# Allegro board reComputer Industrial J201_V1.2.brd (continued)
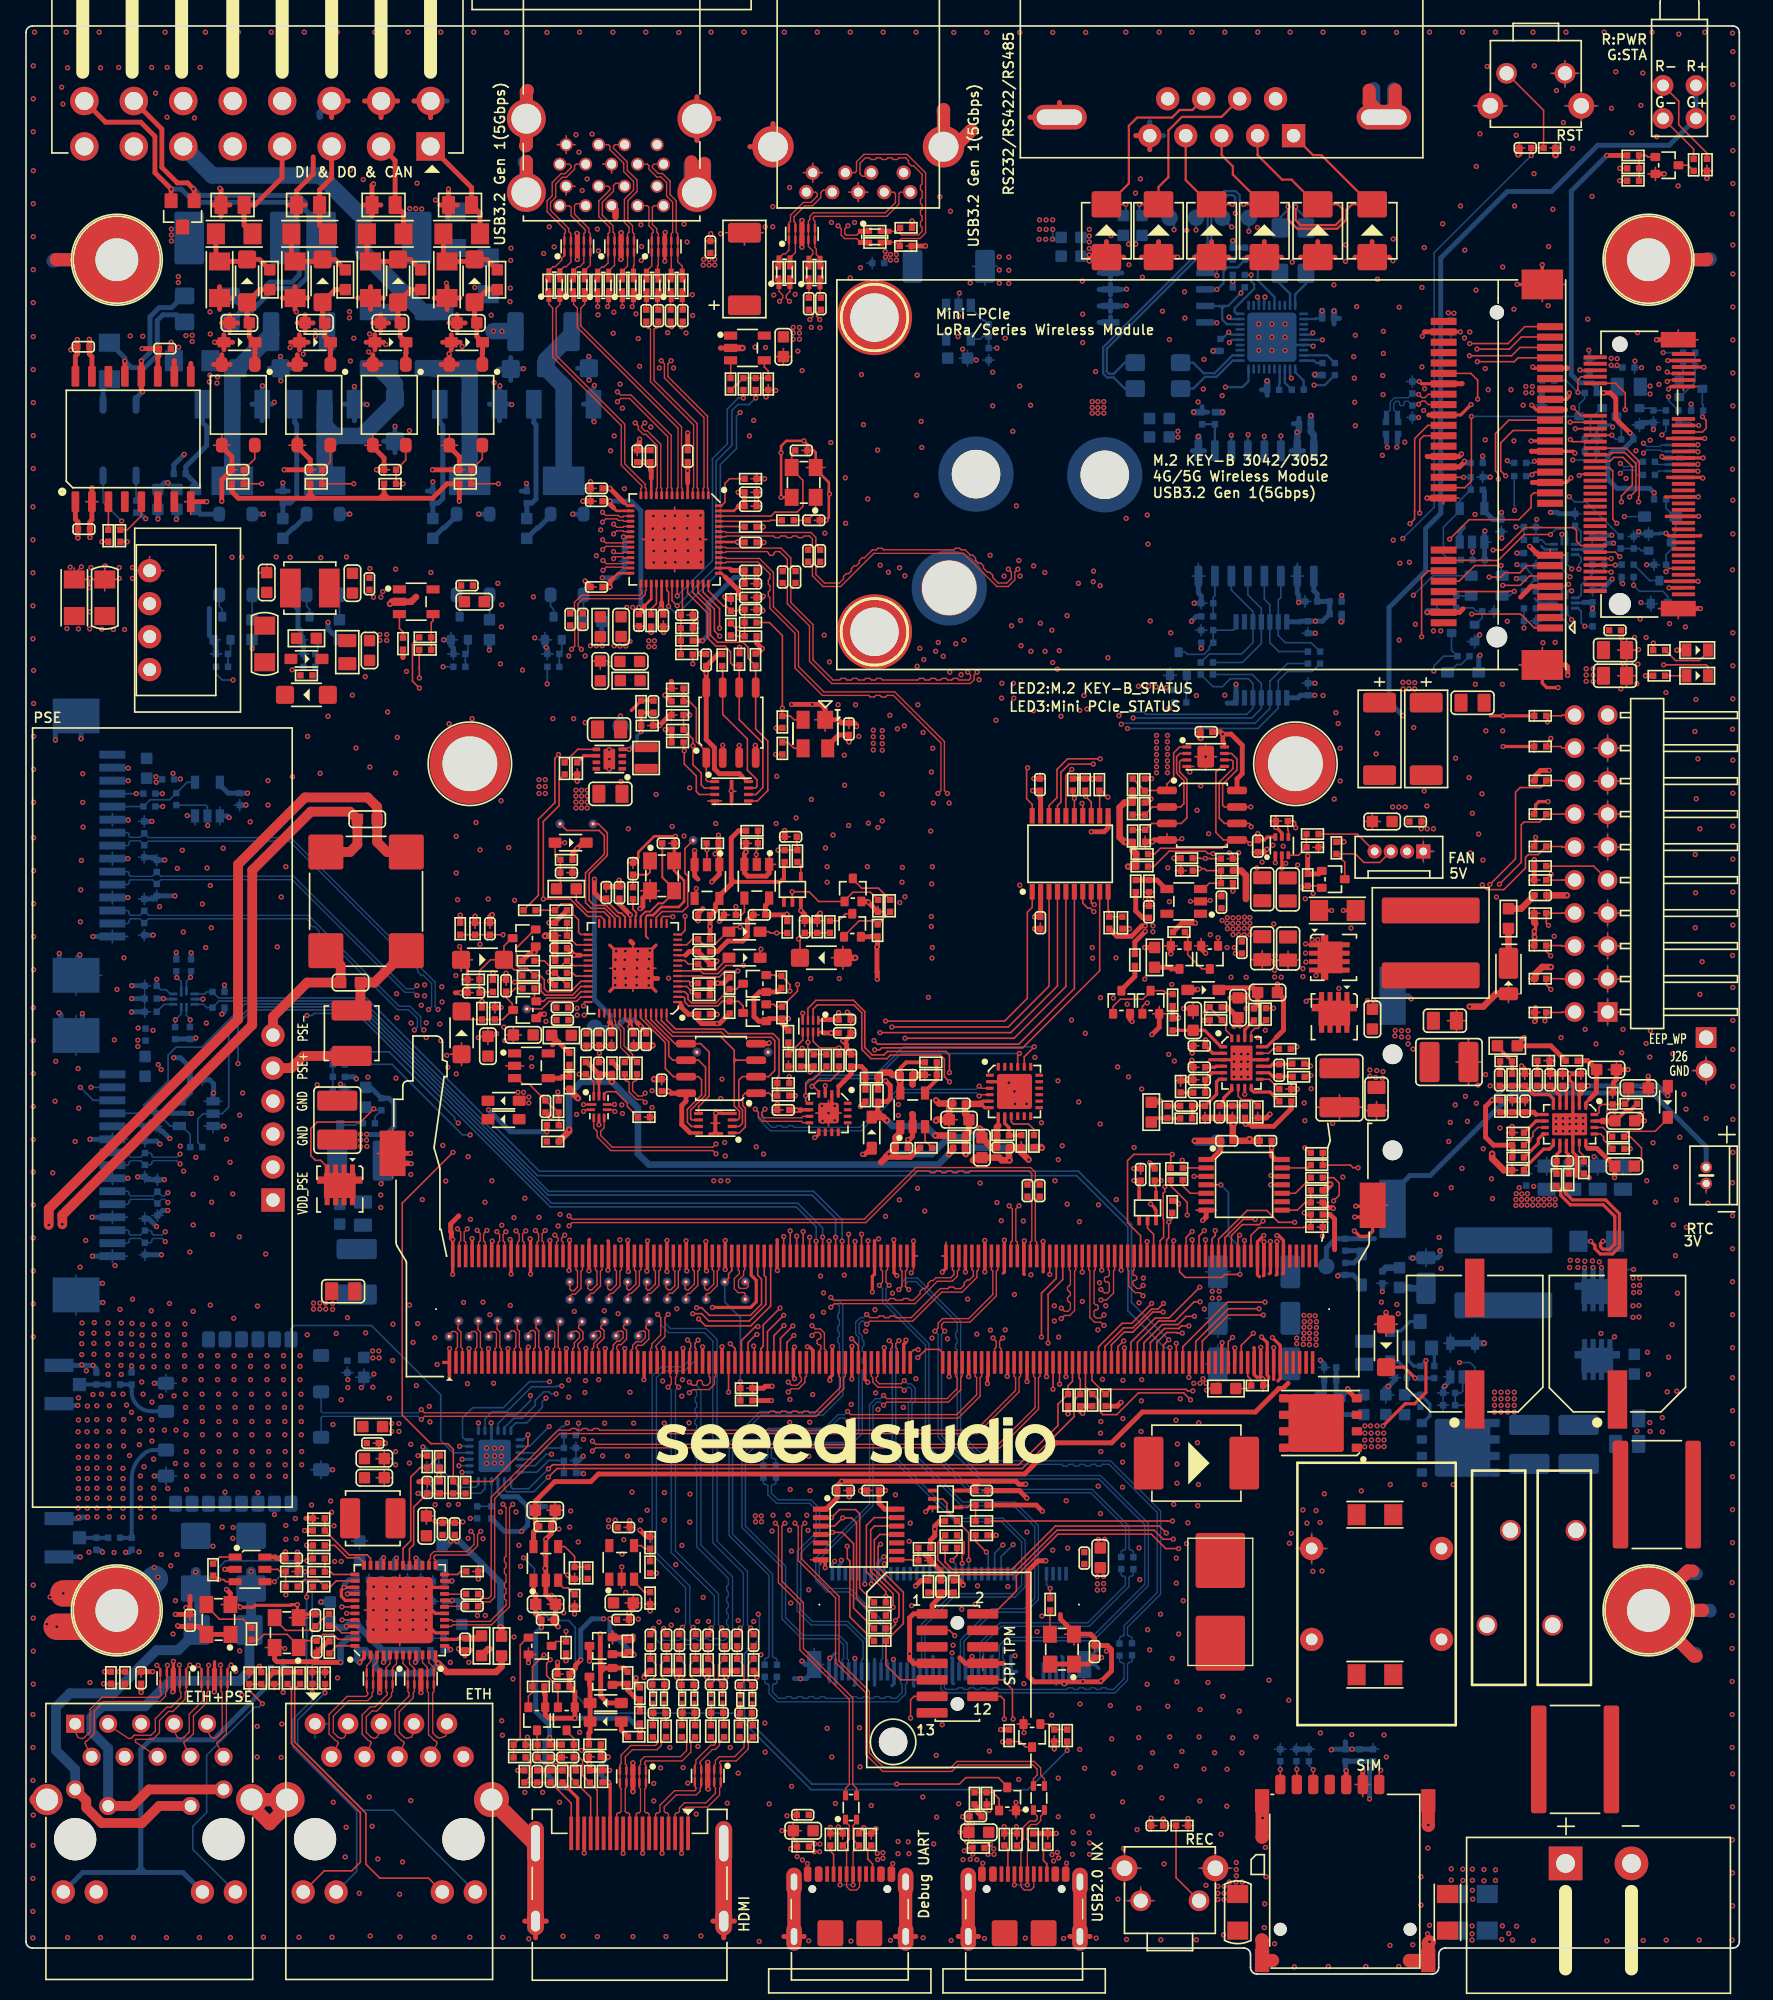
[diagram p0: board, top side]
## Routing (per net, layer and track width the routed paths; a pad name or vN(x,y) marks a point on that pad's centre or on a via; arc(x,y) is an arc through that point) (continued)
  TOP w0.127: 59.57,81.1 C87.2 60,80.67 ; 12.22,113.37 U7.8 12.7,112.39 ; 34.45,75.56 C96.2 34.02,75.13 ; 118.39,68.89 C127.2 118.39,69.75 ; 89.93,68.43 C119.2 ; C119.2 89.93,69.28 ; C119.2 90.36,68.86 ; C199.2 72.7,12.56 ; C199.2 72.19,12.13 v1(72.17,12.11) ; C199.2 72.7,11.7 ; 16.77,23.25 D99.1 ; D99.1 17.2,23.68 ; D99.1 17.63,23.25 ; D99.1 17.2,22.83 ; 40.76,80.38 R125.2 41.19,79.96 ; 34.42,31 R230.2 ; R230.2 34.85,31.43 ; R230.2 35.28,31 ; 91.52,65.93 C134.2 ; C134.2 91.95,66.36 ; C134.2 91.95,65.5 ; 62.06,78.25 D32.1 ; D32.1 62.93,79.13 ; D32.1 62.93,77.38 ; 84.9,5.64 SW2.2 ; SW2.2 85.88,6.62 ; SW2.2 86.86,5.64 ; 114.06,64.79 R190.2 ; R190.2 114.92,64.79 ; R190.2 114.49,64.36 ; 40.17,28.47 C164.2 ; C164.2 40.79,29.1 ; C164.2 41.42,28.47 ; R91.2 55.9,87.07 ; R91.2 55.47,87.5 ; R91.2 55.04,87.07 ; 58.74,70.31 R155.2 59.17,69.88 ; 63.39,137.21 J3.7 ; J3.7 64.12,137.93 ; J3.7 64.12,136.48 ; J3.7 64.85,137.21 ; J7.1 108.38,86.44 ; J7.1 107.65,87.17 ; J7.1 107.65,85.71 ; C58.2 124,99.97 ; C58.2 122.63,99.97 ; C58.2 123.31,100.84 ; C58.2 123.31,99.09 ; 49.52,87.06 C73.2 50.38,87.06 ; D38.1 33.56,71.7 ; D38.1 33.56,69.95 ; D38.1 32.68,70.82 ; 45.89,29.71 U35.2 45.89,31.08 ; Q2.3 15.09,118.47 ; Q2.3 14.45,117.72 ; Q2.3 15.72,117.72 ; 99.91,58.98 R430.1 ; R430.1 99.48,59.41 ; R430.1 100.33,59.41 ; R180.2 90.83,66.35 ; R180.2 90.4,65.92 ; R180.2 90.83,65.49 ; 103.17,66.49 C129.2 ; C129.2 104.92,66.49 ; C129.2 104.05,65.81 ; C129.2 104.05,67.18 ; 54.69,91.07 U12.9 54.36,90.02 ; 120.91,91.86 J8.15 ; J8.15 122.79,91.86 ; J8.15 121.85,92.8 ; J8.15 121.85,90.92 ; 70.06,30.3 C146.1 70.92,30.3 ; C101.2 103.73,74.89 v1(103.81,74.98) ; 117,69.32 C126.2 117.43,68.89 ; 116.82,128.77 J5.53 118.6,130.1 ; 57.18,121.54 R440.2 ; R440.2 56.76,121.97 ; R440.2 57.18,122.4 ; R440.2 57.61,121.97 ; 55.86,114.09 C26.2 ; C26.2 56.28,114.52 ; C26.2 56.71,114.09 ; 116.2,89.74 D24.1 115.77,89.31 ; 43.36,17.15 C193.2 43.79,16.72 ; 116.2,78.76 D30.1 115.77,79.19 ; 94.47,86.38 C74.1 94.9,85.95 ; 124.99,67.6 C130.2 ; C130.2 125.61,68.22 ; C130.2 124.36,68.22 ; 116.2,94.09 D22.1 116.2,94.95 ; C37.2 56.71,107.05 ; C37.2 55.86,107.05 ; C37.2 56.28,106.63 ; 104.78,49.16 D44.1 ; D44.1 103.9,50.03 ; D44.1 105.66,50.03 ; v1(74.2,12.59) 74.01,12.78 R272.2 ; 3.72,107.8 3.72,108.26 ; 3.72,107.8 R56.1 4.73,107.38 4.88,107.23 v1(4.88,106.75) ; 3.72,107.8 v1(4.27,108.35) ; 46.46,26.86 C167.2 ; C167.2 46.89,27.29 ; C167.2 46.03,27.29 ; 115.77,81.68 D28.1 ; D28.1 116.63,81.68 ; D28.1 116.2,82.11 ; 69.68,31.42 R428.1 69.25,31.85 ; 56.04,81.13 C85.2 ; C85.2 56.04,81.98 ; C85.2 56.46,81.56 ; 44.44,139.36 J4.7 45.12,138.68 ; 8.45,108.06 U10.1 ; U10.1 10.61,108.06 ; U10.1 9.53,109.14 ; 58.45,87.14 C72.2 ; C72.2 58.88,87.57 ; C72.2 58.02,87.57 ; 46.8,103.79 C47.2 ; C47.2 47.22,103.36 ; C47.2 47.65,103.79 ; R86.2 96.29,89.21 ; R86.2 95.86,88.78 ; R86.2 96.71,88.78 ; 51.36,103.62 R54.2 ; R54.2 51.37,103.2 ; R54.2 51.8,103.62 ; R54.2 51.37,104.05 ; 55.54,45.11 R448.2 ; R448.2 55.97,45.54 ; R448.2 55.97,44.68 ; 50.94,104.64 C41.2 ; C41.2 51.37,105.07 ; C41.2 51.37,104.22 ; 48.68,103.76 C48.2 ; C48.2 49.53,103.76 ; C48.2 49.1,104.19 ; 111.64,143.86 SW1.3 ; SW1.3 112.82,142.68 ; SW1.3 112.82,145.03 ; SW1.3 114,143.86 ; C106.2 37.55,72.93 ; C106.2 37.55,71.69 ; C106.2 36.92,72.31 ; C106.2 38.17,72.31 ; 99.47,66.74 C122.2 ; C122.2 101.2,67.7 ; C122.2 102.92,66.74 ; C122.2 101.2,65.79 ; 63.96,72.47 C105.2 63.53,72.9 ; C181.2 22.39,25.17 ; C181.2 21.96,24.74 ; C181.2 22.82,24.74 ; 45.19,26.42 Q19.2 45.19,25.43 ; 47.24,71.5 C111.2 46.81,71.93 ; 23.04,22.83 D96.1 ; D96.1 23.47,23.25 ; D96.1 23.04,23.68 ; D96.1 22.61,23.25 ; R197.2 114.92,61.9 ; R197.2 114.49,61.47 ; R197.2 114.49,62.32 ; 22.72,27.7 C169.2 22.29,28.13 ; 16.46,28.45 OSC1.2 15.04,28.45 ; 60.78,96.58 U13.1 61.57,95.7 ; 86.81,73.94 Q50.2 ; Q50.2 87.31,74.5 ; Q50.2 87.8,73.94 ; 38.49,17.23 R257.2 ; R257.2 38.92,17.66 ; R257.2 38.49,18.09 ; 90.14,58.82 U58.7 91.7,58.82 ; 55.86,105.99 C39.2 ; C39.2 56.28,106.42 ; C39.2 56.28,105.56 ; 61.23,31.52 U57.7 60.45,31.89 ; 43.72,71.51 C108.2 ; C108.2 44.15,71.09 ; C108.2 44.58,71.51 ; L14.3 99.05,33.84 ; L14.3 99.05,31.69 ; L14.3 100.13,32.77 ; L14.3 97.97,32.77 ; 60.85,66.29 v1(61.83,66.29) ; v1(61.83,66.29) 61.83,67.27 ; v1(61.83,66.29) 62.81,66.29 ; v1(61.83,66.29) 61.83,65.32 ; R109.2 66.07,81.79 ; R109.2 65.64,82.22 ; R109.2 65.21,81.79 ; C202.2 71.99,10.91 v1(71.99,10.92) ; C202.2 72.65,10.29 ; C202.2 72.65,11.54 ; 85.88,62.45 C140.1 85.88,61.59 ; 114.21,74.8 D34.1 114.21,76.16 ; 95.25,77.41 C91.2 ; C91.2 94.37,78.1 ; C91.2 96.12,78.1 ; C91.2 95.25,78.78 ; 59.89,138.71 J3.4 ; J3.4 60.62,139.43 ; J3.4 60.62,137.98 ; J3.4 61.35,138.71 ; 78.12,92.47 C68.2 78.55,92.05 ; 102.99,13.67 J15.C6 ; J15.C6 103.56,14.59 ; J15.C6 102.41,14.59 ; 116.2,76.21 D35.1 ; D35.1 116.2,77.07 ; D35.1 115.77,76.64 ; R224.2 42.27,30.85 ; R224.2 42.7,30.42 ; R224.2 42.27,29.99 ; D37.1 116.2,74.47 ; D37.1 116.2,73.61 ; D37.1 116.63,74.04 ; D37.1 115.77,74.04 ; 116.2,97.31 D20.1 116.2,96.45 ; 88.53,68.8 R170.2 ; R170.2 88.96,69.23 ; R170.2 88.96,68.37 ; Q5.3 32.61,118.47 ; Q5.3 33.25,117.72 ; Q5.3 31.98,117.72 ; 41.84,28.31 R236.2 ; R236.2 42.7,28.31 ; R236.2 42.27,28.74 ; 52.3,133.44 C2.2 ; C2.2 52.73,133.87 ; C2.2 53.16,133.44 ; 54.31,105.47 R285.2 54.31,106.33 ; 90.04,95.65 C67.2 90.47,96.08 ; 22.33,115.83 C22.2 21.9,115.4 ; C88.2 36.17,80.95 ; C88.2 35.74,80.52 ; C88.2 35.31,80.95 ; 62.4,10.82 R274.2 61.97,10.4 ; 43.92,106.8 C38.2 43.07,106.8 ; R145.2 36.12,74.85 ; R145.2 36.12,74 ; R145.2 35.7,74.43 ; 78.72,11.25 R277.2 78.72,10.4 ; SW1.2 119.55,146.36 ; SW1.2 118.57,147.33 ; SW1.2 117.59,146.36 ; SW1.2 118.57,145.38 ; 55.86,115.14 R43.2 ; R43.2 56.28,115.57 ; R43.2 56.28,114.71 ; C159.2 32.09,35.17 ; C159.2 32.52,34.74 ; C159.2 31.66,34.74 ; 59.77,117.32 C17.2 60.2,116.89 ; 21.65,23.25 D97.1 ; D97.1 22.07,23.68 ; D97.1 22.5,23.25 ; D97.1 22.07,22.83 ; 120.91,81.7 J8.7 ; J8.7 122.79,81.7 ; J8.7 121.85,82.64 ; J8.7 121.85,80.76 ; 40.21,27.28 C168.2 ; C168.2 40.64,27.71 ; C168.2 41.07,27.28 ; C99.2 110.89,73.41 ; C99.2 110.21,72.53 ; C99.2 109.52,73.41 ; C99.2 110.21,74.28 ; 97.23,77.39 C92.2 ; C92.2 96.36,78.07 ; C92.2 97.23,78.76 ; C92.2 98.11,78.07 ; C201.2 59.12,11.66 ; C201.2 59.74,11.03 ; C201.2 59.12,10.41 ; C201.2 58.49,11.03 ; C121.2 48.98,69.33 ; C121.2 49.41,68.9 ; C121.2 48.98,68.48 ; 58.35,123.92 C15.2 ; C15.2 58.35,125.16 ; C15.2 58.97,124.54 ; C15.2 57.73,124.54 ; 121.91,69.64 C120.2 122.53,70.26 ; 43.07,114.39 C25.2 ; C25.2 43.92,114.39 ; C25.2 43.49,113.97 ; 86.09,83.31 R106.2 ; R106.2 86.95,83.31 ; R106.2 86.52,82.88 ; 33.82,115.83 C24.2 33.39,115.4 ; 68.3,69.66 C290.2 68.73,69.23 ; 63.96,73.49 C102.2 63.53,73.06 ; 74.08,36.8 C151.1 73.65,37.23 ; 44.71,84.16 C79.2 44.71,83.31 ; C158.2 33.03,35.17 ; C158.2 32.6,34.74 ; C158.2 33.46,34.74 ; 13.06,27.69 C178.2 12.64,27.26 ; D33.1 33.52,78.98 ; D33.1 34.4,78.1 ; D33.1 33.52,77.22 ; 82.32,24.87 C179.2 81.89,25.29 ; R2.2 129.93,138.85 ; R2.2 129.07,138.85 ; R2.2 129.5,139.28 ; C3.2 56.8,134.08 ; C3.2 53.9,134.08 ; C3.2 55.35,133.14 ; 86.69,11 C200.2 ; C200.2 87.12,11.43 ; C200.2 86.26,11.43 ; C54.2 124,101.94 ; C54.2 123.31,101.07 ; C54.2 122.63,101.94 ; C54.2 123.31,102.82 ; R276.2 75.81,10.82 ; R276.2 75.38,11.34 v1(75.37,11.35) ; R276.2 75.38,10.4 ; 121.85,88.38 J8.13 ; J8.13 122.79,89.32 ; J8.13 120.91,89.32 ; J8.13 121.85,90.26 ; 127.3,104.36 J6.77 125.77,105.14 ; 70.36,35.93 U34.3 69.84,35.6 ; 125.53,138.11 Q1.2 ; Q1.2 124.97,138.61 ; Q1.2 125.53,139.11 ; 28.25,61.26 J9.262 ; J9.262 27.07,63.19 ; J9.262 28.25,65.12 ; 116.3,77.03 116.3,77.07 ; C1.2 115.48,140.61 ; C1.2 114.62,140.61 ; C1.2 115.05,141.04 ; v1(49.97,110.46) 52.45,110.46 ; v1(49.97,110.46) 49.97,112.94 ; v1(49.97,110.46) 49.97,107.98 ; v1(49.97,110.46) 47.49,110.46 ; 42.1,84.38 C76.2 ; C76.2 42.1,85.23 ; C76.2 41.67,84.8 ; C76.2 42.53,84.8 ; 63,37.23 C298.1 63.86,37.23 ; 40.15,35.71 C154.2 ; C154.2 40.77,36.33 ; C154.2 41.39,35.71 ; 92.94,66.36 R178.2 93.37,65.93 ; 71.43,66.6 C295.2 71.43,67.46 ; R94.2 99.58,87.19 ; R94.2 99.15,86.76 ; R94.2 99.58,86.33 ; R94.2 100.01,86.76 ; J8.1 122.79,74.08 ; J8.1 121.85,75.02 ; J8.1 120.91,74.08 ; J8.1 121.85,73.14 ; U27.9 53.44,65.51 ; U27.9 53.11,66.57 ; U27.9 52.78,65.51 ; 68.69,55.29 J9.144 68.38,54.24 ; 21.72,27.44 X3.2 20.3,27.44 ; Q10.2 88.7,79.17 ; Q10.2 87.71,79.17 ; Q10.2 88.2,79.73 ; 20.5,30.99 R231.2 20.93,30.56 ; C153.2 31.35,37.93 ; C153.2 30.92,37.5 ; C153.2 30.92,38.36 ; D1.1 118.27,140.61 ; D1.1 117.84,141.04 ; D1.1 117.42,140.61 ; R435.2 79.65,17.9 ; R435.2 79.22,18.33 ; R435.2 78.8,17.9 ; C70.2 104.35,88.74 ; C70.2 103.72,88.12 ; C70.2 103.72,89.37 ; C70.2 103.1,88.74 ; R163.2 117.38,70.75 ; R163.2 116.95,70.33 ; R163.2 117.8,70.33 ; 43.18,71.07 C110.2 ; C110.2 42.75,71.5 ; C110.2 43.61,71.5 ; U23.57 48.53,77.45 ; U23.57 44.98,77.45 ; U23.57 46.76,79.22 ; U23.57 46.76,75.67 ; 58.97,9.81 D59.1 ; D59.1 59.4,9.38 ; D59.1 59.4,10.24 ; Q32.2 76.85,19.81 ; Q32.2 76.85,18.69 ; Q32.2 77.35,19.25 ; Q32.2 76.36,19.25 ; 70.56,55.29 J9.146 70.88,56.34 ; 61.55,116 X1.2 60.13,116 ; SW1.4 119.82,145.03 ; SW1.4 118.64,143.86 ; SW1.4 121,143.86 ; SW1.4 119.82,142.68 ; 19.87,25.14 X3.4 18.45,25.14 ; R160.2 48.5,65.98 ; R160.2 47.64,65.98 ; R160.2 48.07,66.41 ; R160.2 48.07,65.55 ; 34.97,72.2 C113.2 ; C113.2 35.59,71.58 ; C113.2 36.21,72.2 ; C113.2 35.59,72.83 ; 67.81,133.06 D10.1 68.24,132.63 ; C128.2 120.22,69.32 ; C128.2 119.79,69.75 ; C128.2 119.79,68.89 ; 18.7,22.33 D100.1 ; D100.1 19.56,22.33 ; D100.1 19.13,21.9 ; 22.1,34.66 R215.2 ; R215.2 22.1,35.52 ; R215.2 22.52,35.09 ; 38.33,69.93 U26.2 36.96,69.93 ; 41.71,16.68 C195.2 41.28,17.11 ; Q3.3 21.54,117.72 ; Q3.3 20.9,118.47 ; Q3.3 20.27,117.72 ; C107.2 45.11,71.94 ; C107.2 45.11,71.09 ; C107.2 44.68,71.51 ; 44.14,70.64 C117.2 44.57,70.21 ; 76.26,63.67 R424.2 76.68,64.1 ; C150.2 27.6,40.31 ; C150.2 27.6,39.06 ; C150.2 26.98,39.69 ; C150.2 28.22,39.69 ; 64.79,36.81 C300.2 65.22,37.23 ; 111.13,68.5 C114.2 ; C114.2 112.08,70.22 ; C114.2 110.18,70.22 ; C114.2 111.13,71.95 ; R233.2 48.08,28.92 ; R233.2 47.66,28.49 ; R233.2 48.51,28.49 ; 95.32,44.88 D45.1 95.75,45.31 ; 63.4,95.91 C63.2 63.4,96.76 ; 71.13,65.16 C294.2 71.75,65.78 ; 99.48,57.51 D42.1 ; D42.1 99.91,57.94 ; D42.1 99.91,57.08 ; 115.5,66.86 C135.2 ; C135.2 115.5,67.71 ; C135.2 115.93,67.29 ; R174.2 115.9,69.32 ; R174.2 115.04,69.32 ; R174.2 115.47,68.89 ; 40.94,140.86 J4.4 ; J4.4 41.62,140.18 ; J4.4 42.3,140.86 ; J4.4 41.62,141.54 ; 115.04,100.8 J5.54 116.82,102.13 ; 47.37,83.41 X2.2 ; X2.2 48.79,83.41 ; X2.2 48.08,82.57 ; X2.2 48.08,84.25 ; 115.77,84.23 D27.1 ; D27.1 116.63,84.23 ; D27.1 116.2,83.81 ; R415.2 69.25,69.67 ; R415.2 69.68,69.24 ; R415.2 69.25,68.81 ; 107.51,88.31 C71.2 ; C71.2 107.51,89.17 ; C71.2 107.94,88.74 ; 26.75,40.88 C149.2 27.18,40.45 ; 90.89,92.7 v1(90.89,93.73) ; v1(90.89,93.73) 90.06,93.73 ; v1(90.89,93.73) 90.89,94.76 ; v1(90.89,93.73) 91.71,93.73 ; 90.45,8.14 SW2.3 ; SW2.3 92.81,8.14 ; SW2.3 91.63,9.32 ; SW2.3 91.63,6.97 ; v1(94.03,75.38) 93.82,75.17 ; 116.3,74.47 116.3,74.43 ; 63.58,70.86 63.58,71.24 ; J8.3 121.85,77.56 ; J8.3 120.91,76.62 ; J8.3 122.79,76.62 ; J8.3 121.85,75.68 ; R72.2 50.16,96.95 ; R72.2 49.74,96.52 ; R72.2 49.74,97.38 ; 28.02,115.83 C23.2 27.59,115.4 ; Q11.2 91.04,79.17 ; Q11.2 90.04,79.17 ; Q11.2 90.54,79.73 ; R181.2 122.67,67.88 ; R181.2 122.24,67.46 ; R181.2 121.81,67.88 ; D54.1 89.95,11.43 ; D54.1 89.1,11.43 ; D54.1 89.53,11 ; 97.48,67.71 R171.2 ; R171.2 97.05,68.14 ; R171.2 97.48,68.57 ; 41.62,136.98 J4.13 42.3,137.66 ; 43.63,101.1 C57.2 ; C57.2 44.25,100.48 ; C57.2 44.87,101.1 ; R98.2 92.98,86.31 ; R98.2 92.55,85.89 ; R98.2 93.41,85.89 ; 62.93,10.4 D55.1 62.5,10.82 ; C75.2 47.2,85.58 ; C75.2 46.77,86 ; C75.2 46.77,85.15 ; C75.2 46.34,85.58 ; 89.96,92.98 U15.4 89.44,92.68 ; 58.96,12.26 C198.2 ; C198.2 59.38,12.69 ; C198.2 59.38,11.83 ; 128.82,125.84 J6.76 127.3,126.62 ; 75.92,10.82 D57.1 ; D57.1 76.34,10.4 ; D57.1 76.34,11.31 v1(76.31,11.35) ; 116.2,92.33 D23.1 115.77,91.9 ; R188.2 114.51,67.71 ; R188.2 114.08,67.29 ; R188.2 114.51,66.86 ; 75.77,12.59 Q23.2 ; Q23.2 76.77,12.59 ; Q23.2 76.27,12.03 ; 115.14,75.48 114.49,75.48 ; 73.71,24.47 J11.8 73.71,23.37 ; C112.2 90.36,71.47 ; C112.2 89.93,71.9 ; C112.2 89.5,71.47 ; v1(72.95,9.24) 72.92,9.28 D60.1 72.49,9.71 ; Q4.3 26.72,118.47 ; Q4.3 26.09,117.72 ; Q4.3 27.35,117.72 ; 90.77,73.46 R148.2 91.2,73.03 ; 15.43,115.83 C21.2 ; C21.2 16.28,115.83 ; C21.2 15.85,115.4 ; 56.71,113.03 C28.2 55.86,113.03 ; 121.85,93.46 J8.17 ; J8.17 122.79,94.4 ; J8.17 120.91,94.4 ; J8.17 121.85,95.34 ; 57.46,66.53 C133.2 58.31,66.53 ; 78.15,80.06 C86.1 78.15,80.92 ; 120.91,86.78 J8.11 ; J8.11 121.85,85.84 ; J8.11 121.85,87.72 ; J8.11 122.79,86.78 ; 46.35,26.14 R240.2 45.92,25.71 ; 56.28,104.63 C40.2 ; C40.2 56.28,105.49 ; C40.2 55.86,105.06 ; 127.7,121.91 J6.11 128.77,122.24 ; 116.3,92.3 116.3,92.33 ; 28.8,25.29 v1(28.8,28.02) ; v1(28.8,28.02) 28.8,30.75 ; v1(28.8,28.02) 26.07,28.02 ; 30.85,34.64 C157.2 ; C157.2 30.85,35.89 ; C157.2 31.47,35.26 ; J8.5 122.79,79.16 ; J8.5 120.91,79.16 ; J8.5 121.85,80.1 ; J8.5 121.85,78.22 ; 48.32,96.56 R74.2 47.89,96.13 ; C27.2 43.92,113.4 ; C27.2 43.49,112.98 ; C27.2 43.49,113.83 ; 110.4,113.65 J5.18 109.22,113.19 ; 48.08,33.25 R222.2 ; R222.2 48.08,34.11 ; R222.2 48.51,33.68 ; R101.2 89.4,84.96 ; R101.2 88.97,84.53 ; R101.2 88.54,84.96 ; R101.2 88.97,85.39 ; 117.14,83.48 C81.2 117.14,82.63 ; J9.261 104.93,59.19 ; 94.02,74.99 93.79,74.99 93.62,75.17 ; 54.2,81.56 R113.2 53.77,81.98 ; 52.53,90.32 U12.4 ; U12.4 53.06,90.02 ; U12.4 53.59,90.32 ; 51.78,81.66 51.78,81.98 ; SW2.4 84.63,9.32 ; SW2.4 83.45,8.14 ; SW2.4 84.63,6.97 ; SW2.4 85.81,8.14 ; 41.38,23.1 C182.2 40.52,23.1 ; 26.98,38.21 C152.2 ; C152.2 28.22,38.21 ; C152.2 27.6,38.84 ; C152.2 27.6,37.59 ; 69.68,31.9 69.68,32.28 ; C83.2 86.51,82.68 ; C83.2 86.94,82.26 ; C83.2 86.08,82.26 ; 8.44,23.28 C184.2 8.87,22.85 ; 6.07,106.51 C52.1 ; C52.1 5.08,107.38 ; C52.1 7.06,107.38 ; C52.1 6.07,108.26 ; 79.22,17.17 v1(79.22,17.34) ; 87.9,87.8 U16.4 88.86,87.32 ; 91.18,82.59 U22.2 89.81,82.59 ; 39.27,24.6 Q18.2 38.71,25.1 ; 92.1,83.42 C82.2 91.67,82.99 ; C163.2 47.41,28.57 ; C163.2 46.17,28.57 ; C163.2 46.79,29.2 ; J26.2 129.44,70.54 ; J26.2 129.44,68.59 ; J26.2 128.46,69.57 ; 34.17,80.95 R122.2 ; R122.2 35.03,80.95 ; R122.2 34.6,80.52 ; 46.5,33.96 C156.2 ; C156.2 46.08,34.39 ; C156.2 46.93,34.39 ; R272.2 74.01,13.49 ; R272.2 74.44,13.07 ; 64.69,10.82 R275.2 ; R275.2 65.12,10.4 ; R275.2 65.55,10.82 ; 89.5,69.82 C116.2 ; C116.2 89.93,69.39 ; C116.2 90.36,69.82 ; 95.04,64.59 C301.2 95.04,63.73 ; 17.92,107.91 C42.2 18.55,108.53 ; 89.92,74.81 C103.2 89.92,73.57 ; 57.75,85.44 U19.1 57.25,86.13 ; 61.39,81.1 R118.2 60.96,80.67 ; 99.39,79.63 Q12.1 98.66,79.25 ; 42.29,68.16 R168.2 41.43,68.16 ; 50.16,98.98 R396.2 49.31,98.98 ; 118.6,109.25 J5.15 117.42,109.7 ; 46.15,83.73 C80.2 45.3,83.73 ; 129.45,60.24 J12.1 128.82,60.87 ; C29.2 61.16,112.37 ; C29.2 61.16,111.51 ; C29.2 60.73,111.94 ; 42.04,92.37 R78.2 42.47,92.8 ; 94.9,66.34 R182.2 94.47,65.92 ; 86.22,86.76 R88.2 86.22,87.61 ; 64.01,70.81 C115.2 63.15,70.81 ; 5.56,113.37 U7.2 4.6,113.37 ; 36.99,76.13 C94.2 36.56,76.56 ; 40.06,66.34 40.45,66.34 ; 33.58,76.58 R133.2 34.44,76.58 ; 116.2,87.25 D25.1 115.77,86.82 ; 47.09,116.91 C18.2 46.67,117.34 ; 80.74,25.33 OSC2.2 80.03,26.16
  TOP w0.152: 47.88,81.53 47.76,81.4 U23.19 47.76,79.9 47.93,79.73
  TOP w0.203: U24.4 v1(59.84,73.98) ; X2.4 49.93,84.97 50.7,84.2 50.7,82.57 50.3,82.16 48.95,82.16 48.31,81.53 47.88,81.53 ; X1.4 v1(58.18,113.7) 58.18,117.65 58.58,118.05 v1(59.94,118.05) 60.2,117.8 C17.2 60.67,117.32 60.84,117.16 X1.2 60.84,115.88 61.85,114.86 61.85,112.15 v1(61.64,111.94) C29.2 ; C75.2 47.17,85.98 47.17,86.38 48.4,87.61 v1(50.04,87.61) 50.04,87.57 49.95,87.48 C73.2 ; U29.4 v1(44.14,65.39)
  TOP w0.254: v1(59.21,45.84) 59.21,45.87 59.13,45.95 J9.107 59.13,48.19 v1(59.21,48.28) ; v1(86.64,59.3) 86.97,58.98 86.97,58.9 87.06,58.81 U33.3 ; v1(116.82,131.62) J5.53 v1(114.88,130.1) ; 116.3,79.19 116.3,79.86 v1(116.23,79.86) ; J5.37 118.67,121.25 118.9,121.47 v1(118.9,121.74) ; J16.11 v1(46.01,9.29) ; v1(52.38,56.41) 52.38,56.4 J9.80 52.38,54.2 v1(52.43,54.15) ; 96.12,45.79 96.13,45.8 J9.247 v1(96.13,48.23) ; v1(32.88,56.56) J9.2 32.88,53.87 v1(32.87,53.87) ; U4.3 v1(49.21,131.89) 49.23,131.87 ; v1(69.32,35.6) 69.64,35.93 U34.3 ; J9.43 43.13,48.02 43.13,48.03 v1(43.13,48.18) ; J9.8 34.38,56.63 v1(34.37,56.64) ; J9.165 75.63,46.05 v1(75.59,46.02) ; v1(76.16,67.96) 75.41,68.71 U54.2 ; v1(44.63,48.16) 44.63,48.15 J9.49 ; 128.93,124.25 128.92,124.24 J6.3 v1(126.48,124.24) ; v1(62.13,48.31) J9.119 62.13,46.11 61.93,45.92 v1(61.93,45.71) ; U27.9 53.11,64.89 ; 53.11,64.89 53.11,64.86 52.94,64.69 52.68,64.69 ; 53.11,64.89 53.29,64.71 53.6,64.71 ; J9.146 70.88,54.33 v1(70.59,54.05) ; 129.04,110.79 128.99,110.74 J6.57 126.54,110.74 v1(126.34,110.94) ; v1(63.63,48.33) J9.125 v1(63.63,45.82) ; J9.1 32.19,47.09 32.19,47.09 ; J9.1 32.63,46 32.59,45.97 ; J9.1 32.63,48.15 v1(32.63,48.16) ; v1(67.8,48.81) 67.8,48.66 67.63,48.49 J9.141 ; J9.153 v1(72.63,46) ; v1(34.13,48.16) 34.13,48.15 J9.7 ; J9.37 41.63,48.15 v1(41.63,48.16) ; v1(95.36,56.87) 94.88,56.39 J9.242 94.88,53.84 95.03,53.69 ; 41.94,56.56 v1(41.88,56.5) J9.38 41.88,54.21 v1(41.84,54.17) ; v1(50.85,56.46) 50.88,56.44 J9.74 50.88,54.18 v1(50.91,54.15) ; v1(44.83,54.2) 44.88,54.24 J9.50 44.88,56.42 44.83,56.46 ; J5.27 119.2,117.25 v1(119.33,117.11) ; 103.64,59.13 103.7,59.19 J9.261 103.75,57.19 103.36,56.8 102.77,56.8 v1(102.34,57.22) ; 103.64,59.13 v1(102.44,59.13) ; 103.64,59.13 102.8,58.29 v1(102.37,58.29) ; D55.1 62.93,10.98 v1(62.59,11.32) ; v1(95.38,56.38) J9.244 95.38,53.81 95.33,53.77 ; U61.3 11.36,23.23 11.36,23.96 ; v1(116.21,85.8) 116.21,85.72 ; J9.113 60.63,48.03 60.37,48.28 60.22,48.28 v1(60.2,48.3) ; U23.57 48.53,79.22 ; U23.57 44.98,75.67 ; U23.57 44.98,79.22 ; U23.57 48.53,75.67 ; v1(57.89,54.17) 57.88,54.19 J9.102 57.88,56.53 57.87,56.54 ; R275.2 65.12,10.83 v1(65.49,11.2) ; 76.27,13.25 v1(76.27,13.21) Q23.2 ; v1(119.03,115.2) 118.67,114.85 J5.21 ; J5.34 110.53,120.05 v1(111.33,120.85) ; 119.43,61.41 119.43,63.01 119.18,63.27 U31.14 119.18,64.64 v1(118.93,64.89) v1(118.93,65.43) 119.18,65.68 U31.3 119.18,68.59 118.9,68.86 v1(118.9,69.32) ; v1(117.27,90.28) 116.56,90.28 116.3,90.02 116.3,89.31 ; J9.85 v1(53.63,48.31) ; J5.40 107.52,122.45 v1(107.34,122.62) ; 126.47,115.26 126.49,115.24 J6.39 129.13,115.24 v1(129.19,115.18) ; J16.2 v1(50.51,9.29) ; J5.43 116.18,123.65 v1(116.08,123.74) ; 78.36,54.07 78.38,54.08 J9.176 78.38,56.4 v1(78.36,56.41) ; v1(49.1,48.18) 49.13,48.16 J9.67 ; v1(95.88,56.41) J9.246 95.88,54.01 95.79,53.92 ; 116.3,81.16 116.3,80.38 v1(116.21,80.28) ; 126.32,113.74 126.32,113.74 J6.45 v1(128.84,113.74) ; J16.5 v1(49.01,9.29) ; 95.14,45.96 95.13,45.97 J9.243 v1(95.13,48.25) ; 95.14,45.96 v1(95.28,45.82) ; 95.14,45.96 94.82,45.96 94.63,46.15 J9.241 94.63,48.2 94.59,48.23 ; v1(61.57,31.29) 61.57,31.64 61.32,31.89 U57.7 ; U38.22 31.36,29.77 31.31,29.82 v1(30.85,29.82) ; 96.29,88.32 96.75,87.85 U17.5 ; v1(38.84,56.61) 38.88,56.58 J9.26 v1(38.88,53.89) ; 43.41,56.56 43.38,56.52 J9.44 v1(43.38,54.15) ; J9.61 47.62,45.79 v1(47.6,45.77) ; v1(47.83,54.12) 47.88,54.17 J9.62 47.88,56.45 v1(47.88,56.46) ; J9.19 37.13,48.15 v1(37.13,48.16) ; 14.53,24.05 14.53,23.23 U60.3 ; U17.2 v1(96.75,85.16) ; v1(73.87,56.48) 73.88,56.48 J9.158 73.88,54.08 v1(73.87,54.07) 73.87,54.02 ; J9.129 64.63,45.79 v1(64.85,45.56) ; v1(95.19,49.06) 95.63,48.62 J9.245 95.63,46.12 95.74,46.01 95.74,45.81 ; v1(96.37,56.87) 96.5,56.87 96.88,56.49 J9.250 96.88,53.97 96.83,53.92 ; U27.4 53.62,66.26 53.6,66.29 v1(53.14,66.29) ; C200.2 v1(86.69,12) ; v1(129.26,123.72) 129.24,123.74 J6.5 ; D56.1 64.17,10.9 v1(64.55,11.27) ; 33.81,78.23 34.01,78.03 R133.2 34.01,76.07 34.02,76.07 C96.2 ; J5.54 116.82,99.39 117.16,99.05 v1(118.04,99.05) ; v1(38.71,48.28) 38.71,48.24 38.63,48.15 J9.25 ; v1(92.16,48.61) 92.13,48.58 J9.231 ; D54.1 v1(89.53,11.98) ; v1(66.13,48.23) J9.135 ; v1(40.36,56.48) 40.38,56.47 J9.32 ; v1(96.38,56.4) J9.248 96.38,53.87 96.32,53.82 ; v1(46.41,54.1) 46.38,54.13 J9.56 46.38,56.48 v1(46.36,56.5) ; C169.2 21.27,27.7 X3.2 21.01,27.57 20.91,27.67 v1(20.91,28.44) 20.45,28.44 20.4,28.39 17.66,28.39 17.5,28.24 v1(16.51,28.24) ; J9.144 v1(68.38,56.43) ; J5.29 v1(115.96,118.05) ; 116.3,94.52 D22.1 v1(113.8,94.52) ; 126.45,118.23 126.45,118.24 J6.27 v1(129.33,118.24) ; J9.177 v1(78.63,46) ; U16.4 87.88,87.32 ; 91.22,70.4 91.22,70.4 U25.3 93.4,70.4 U25.21 93.9,70.4 U25.14 95.63,70.4 95.69,70.45 ; v1(75.38,56.51) J9.164 75.38,54.06 75.29,53.97 ; v1(76.92,56.46) 76.88,56.42 J9.170 76.88,53.91 76.92,53.87 ; v1(129.21,116.74) J6.33 126.13,116.74 v1(126.04,116.83) ; v1(40.13,48.16) 40.13,48.15 J9.31 ; v1(74.07,45.46) 74.07,45.92 74.08,45.92 74.08,46.03 74.13,46.08 J9.159 ; C73.2 49.95,85.73 X2.4 ; v1(65.21,52.52) 65.21,53.72 65.38,53.89 J9.132 65.38,56.44 65.36,56.46 ; R207.2 v1(30.2,39.92) ; v1(49.38,56.48) 49.38,56.48 J9.68 49.38,54.1 v1(49.38,54.1) ; 116.3,96.88 D20.1 v1(113.8,96.88) 112.82,96.88 ; J9.152 v1(72.38,54.06) ; J9.200 v1(84.38,54.2) ; J9.201 v1(84.63,48.22) ; R274.2 v1(61.97,11.29) ; v1(46.13,48.16) 46.13,48.15 J9.55 ; J16.8 v1(47.51,9.29) ; J9.73 v1(50.63,48.18) ; v1(66.86,56.54) 66.88,56.52 J9.138 66.88,54 v1(67.1,53.78) ; J16.17 v1(43.01,9.32) ; 116.3,86.82 v1(116.3,87.52) ; J6.11 126.74,122.24 v1(126.55,122.04) ; J9.79 v1(52.13,48.3) ; v1(35.92,56.43) 35.88,56.39 J9.14 ; J9.147 v1(71.13,46) ; 53.85,56.51 v1(53.88,56.49) J9.86 v1(53.88,54.25) ; v1(116.01,120.8) 116.35,120.45 J5.35 ; 126.32,107.23 126.32,107.24 J6.71 v1(128.81,107.24) ; v1(30.83,26.52) 31.29,26.52 31.54,26.27 U38.15 ; v1(30.83,28.02) 31.29,28.02 31.54,27.77 U38.18 ; U21.3 v1(59.7,81.89) ; v1(35.63,48.16) 35.63,48.15 J9.13 ; J5.50 v1(110.51,126.45) ; v1(37.38,53.89) J9.20 37.38,56.48 v1(37.29,56.56) ; v1(128.86,112.24) J6.51 126.4,112.24 126.37,112.21 ; 96.45,45.66 96.63,45.84 J9.249 96.63,48.41 v1(96.03,49) ; v1(62.31,66.85) 62.08,67.08 U30.2 ; J9.171 v1(77.13,45.62) ; J6.73 v1(126.59,106.74)
  TOP w0.305: v1(89.18,74.34) 89.69,74.34 89.84,74.19 C103.2 ; v1(49.25,134.11) 49.21,134.07 U4.8 U4.3 ; 122.3,67.99 122.24,67.92 R181.2
  TOP w0.381: J5.9 115.98,106.85 115.14,106.01 ; D43.1 88.56,59.54 v1(88.8,59.3) ; v1(47.3,82.04) 47.37,82.04 47.53,82.19 47.53,82.86 X2.2 ; v1(89.84,70.91) 89.84,71.29 89.93,71.38 C112.2 ; 89.46,68.88 89.46,68.83 89.44,68.8 R170.2 ; 89.46,68.88 v1(89.46,68.91) ; 89.46,68.88 89.49,68.86 C119.2 ; Q10.2 v1(88.2,78.56) ; R224.2 42.04,30.42 v1(41.74,30.73) ; v1(51.78,81.1) C84.2 51.78,81.66 52.15,82.04 ; R86.2 v1(96.29,88.29) ; 30.26,37.89 30.29,37.93 C153.2 ; v1(27.25,21.67) U32.8 U32.3 ; v1(56.77,104.97) 56.69,105.06 C40.2 ; v1(116.21,85.8) 116.2,85.79 R397.1 D27.1 ; v1(59.78,135.02) 59.78,135.02 U1.8 U1.3 v1(59.78,132.97) ; 118.75,123.67 118.73,123.65 J5.43 ; R148.2 91.17,73.43 91.17,73.43 v1(90.78,73.43) ; J5.50 107.76,126.45 107.75,126.44 ; v1(124.49,66.29) 123.94,65.74 C136.2 v1(124.68,65.7) ; 116.2,80.36 116.2,79.9 v1(116.23,79.86) 116.2,79.83 D30.1 ; 116.3,91.9 116.3,92.3 116.68,92.68 v1(117.35,92.68) ; Q2.3 15.09,117.6 15.85,116.84 C21.2 15.08,115.06 v1(15.08,113.41) ; R122.2 v1(34.6,81.45) ; C94.2 v1(36.99,77.06) ; C194.2 v1(40.8,16.68) C195.2 ; 118.6,120.44 118.59,120.45 J5.35 ; 110.65,122.47 110.62,122.45 J5.40 ; v1(40.42,65.98) 40.06,66.34 C132.2 ; v1(45.7,84.22) 45.73,84.19 C80.2 45.72,83.73 C79.2 ; R85.2 86.37,90.2 v1(86.67,90.5) ; J5.54 118.63,100.8 118.77,100.66 v1(118.77,99.99) ; v1(42.29,16.07) 42.29,15.97 42.36,15.91 D51.1 ; R171.2 v1(97.95,68.14) ; C140.1 v1(85.35,62.02) ; 51.39,104.64 51.39,104.41 v1(51.64,104.16) 51.36,103.89 51.36,103.62 ; v1(85.22,73.35) 85.06,73.51 Q51.2 ; D98.1 v1(6.06,23.28) ; C55.2 51.97,101.64 v1(51.97,101.67) ; v1(59.7,81.89) 60,81.59 C87.2 R118.2 60.96,81.45 v1(61.19,81.68) ; v1(33.33,25.04) 33.44,24.93 C180.2 ; R243.2 23.27,25.62 C181.2 22.39,24.14 22.25,24 ; C182.2 v1(40.95,24) ; Q18.2 v1(38.71,23.97) ; 79.69,27.68 79.69,27.33 80.74,26.29 OSC2.2 82.02,26.16 82.32,25.86 C179.2 83.32,25.29 83.63,24.99 83.63,23.34 82.79,22.5 77.66,22.5 77.2,22.96 77.2,31.06 77.97,31.82 v1(78.57,31.82) ; v1(20.91,32.48) C162.2 20.93,31.99 R231.2 ; v1(51.51,86.51) U20.3 51.51,84.55 51.77,84.3 ; v1(95.28,45.82) 95.32,45.77 D45.1 ; 55.47,86.39 55.35,86.27 U19.3 55.35,84.79 55.6,84.54 57.03,84.54 57.25,84.77 U19.1 ; 55.47,86.39 R91.2 ; 55.47,86.39 v1(55.47,86.38) ; R60.2 v1(54.97,102.16) ; R49.2 v1(56.8,111.43) ; R430.1 100.3,59.01 100.65,59.01 v1(100.71,58.95) ; R188.2 v1(114.99,67.29) C135.2 ; R74.2 v1(48.8,96.13) 49.62,96.95 R72.2 ; v1(107.96,104.85) J5.4 110.45,104.85 110.72,105.13 ; R43.2 v1(56.9,115.14) ; U37.2 v1(15.32,31.16) ; v1(57.48,45.26) 56.96,45.26 56.82,45.11 R448.2 ; v1(15.45,29.61) 15.75,29.31 OSC1.2 ; C96.2 v1(33.48,75.56) 33.07,75.56 ; R222.2 47.8,33.68 v1(47.3,34.18) ; R163.2 v1(117.38,69.77) 117.43,69.71 C126.2 C127.2 v1(118.9,69.32) C128.2 ; R285.2 53.99,105.9 v1(53.85,106.04) ; v1(53.35,87.69) R92.2 53.35,86.5 53.42,86.43 U20.1 53.42,84.68 v1(52.84,84.09) ; v1(90.66,58.02) 90.92,58.29 U58.7 ; v1(77.11,36.65) 76.53,37.23 C151.1 ; C39.2 56.7,105.99 v1(56.8,106.09) ; R78.2 v1(42.47,91.84) ; v1(94.06,74.95) 93.84,75.17 C97.2 v1(92.78,75.17) ; R435.2 v1(79.22,17.34) ; U11.4 56.22,94.58 v1(56.19,94.61) ; v1(30.42,21.67) U59.8 U59.3 ; R233.2 v1(48.08,27.96) ; v1(90.89,78.61) 90.54,78.95 Q11.2 ; R190.2 v1(114.49,65.26) ; 29.04,101.37 29.05,101.38 R66.2 ; C196.2 C197.2 v1(40.87,15.68) D50.1 ; U18.11 83.37,88.26 83.06,87.96 v1(82.07,87.96) ; C154.2 v1(40.77,35.05) 40.46,34.74 C155.2 40.46,33.9 v1(40.05,33.49) U36.2 40.05,29.22 C164.2 40.79,27.44 C168.2 40.64,27.1 v1(41,26.74) ; v1(14.51,21.74) 14.52,21.75 U60.8 U60.3 ; v1(43.08,107.26) 43.49,106.85 C38.2 ; 48.26,76.7 48.31,76.65 48.67,76.65 ; v1(49.13,103.3) 49.1,103.32 C48.2 ; Q7.2 64.84,82.59 v1(64.9,82.52) R109.2 ; C156.2 v1(46.5,34.92) ; v1(64.29,37.21) 64.32,37.23 C300.2 ; 46.59,79.52 46.76,79.35 ; v1(53.42,81.07) 53.77,81.42 R113.2 ; 75.29,23.92 J11.8 72.37,23.92 71.94,24.35 ; U61.3 U61.8 11.35,21.78 v1(11.31,21.74) ; v1(115.22,69.92) 115.47,69.67 R174.2 ; v1(29.62,63.19) J9.262 29.04,62.4 v1(29.67,62.4) ; C88.2 35.74,81.43 35.87,81.55 v1(35.92,81.55) ; J5.27 116,117.25 115.98,117.27 ; C193.2 43.36,16.25 v1(43.41,16.2) 43.44,16.17 D53.1 43.45,15.68 D52.1 v1(44.96,15.68) ; C86.1 v1(77.7,80.49) ; v1(52.53,16.3) U39.3 U39.8 52.53,14.27 v1(52.56,14.24) ; C180.2 34.26,24.93 ; C180.2 33.83,24.5 ; v1(123.42,69.64) C120.2 122.53,68.88 122.3,68.65 122.3,67.99 ; v1(45.85,134.08) 45.85,134.08 U3.8 U3.3 45.85,132.04 v1(45.83,132.02) ; D44.1 v1(104.78,50.95) ; C163.2 46.79,28.14 v1(46.46,27.81) C167.2 ; 107.95,116.86 107.97,116.85 J5.26 110.41,116.85 v1(110.6,117.04) ; J6.76 v1(125.62,125.84) ; C74.1 95.38,86.38 v1(95.61,86.61) ; C27.2 v1(42.9,113.4) ; R2.2 v1(129.5,138.26) ; R215.2 21.56,35.09 ; U52.2 68.31,64.49 68.08,64.26 v1(67.95,64.26) 67.95,64.13 67.92,64.11 C291.2 ; C26.2 v1(56.28,113.53) C28.2 ; C102.2 63.53,73.81 v1(63.28,74.06) ; 53.5,125.19 53.51,125.21 U5.2 ; Q50.2 87.31,72.9 v1(86.74,72.33) ; C184.2 v1(9.76,23.28) ; v1(116.23,73.35) 116.3,73.42 116.3,74.43 ; R230.2 v1(34.85,30.43) ; 33.35,58.36 33.33,58.36 32.72,57.75 32.72,57.17 32.78,57.11 32.78,56.65 v1(32.88,56.56) ; v1(95.84,66.21) 95.54,65.92 R182.2 ; D58.1 R277.2 v1(79.38,10.82) ; v1(115.85,109.93) 116.53,109.25 J5.15 ; 116.06,114.85 116.06,114.85 J5.21 ; R116.1 v1(85.02,80.49) ; C298.1 63.43,36.75 v1(63.43,36.75) ; C37.2 v1(56.28,107.54) C34.2 ; C25.2 v1(43.49,114.91) ; U7.8 v1(13.92,113.37) ; v1(27,115.83) C23.2 27.59,116.73 26.72,117.6 Q4.3 ; C68.2 v1(77.65,92.05) ; C100.2 53.22,73.91 v1(53.24,73.88) ; C115.2 63.58,70.86 63.22,71.22 63.22,71.57 v1(62.95,71.85) 63,71.9 63.15,71.9 63.53,72.28 C105.2 ; J6.77 v1(129,105.14) ; C146.1 70.49,31.04 R428.1 69.68,31.9 v1(69.32,32.25) ; Q3.3 20.9,117.6 21.9,116.61 C22.2 v1(19.89,115.83) ; v1(4.93,110.61) C30.2 4.93,111.82 5.08,111.97 U7.2 v1(5.08,114.43) ; R83.2 v1(86.72,92.05) ; v1(46.77,14.04) 46.76,14.05 U40.8 U40.3 v1(46.76,16.26) ; D49.1 v1(37.89,15.68) ; C20.2 v1(50.98,118.66) ; U28.4 57.19,71.64 v1(57.26,71.7) ; J5.34 108.07,120.05 ; R145.2 v1(36.6,74.43) ; D3.1 v1(68.27,134.98) ; 49.71,99.54 49.74,99.51 R396.2 ; D10.1 v1(69.3,133.06) ; v1(24.24,24) 22.25,24 ; 22.25,24 22.2,24.05 19.34,24.05 19.16,24.23 X3.4 ; 12.64,29.09 C178.2 v1(11.51,27.69) ; v1(47.27,118.18) 47.27,117.9 47.09,117.72 C18.2 C19.2 ; v1(46.77,26.03) 46.77,25.73 46.75,25.71 R240.2 46.13,25.93 Q19.2 ; R88.2 v1(86.78,87.18) 86.92,87.32 87.88,87.32 ; C116.2 89.93,69.88 89.82,70 v1(89.82,70.35) ; v1(63.99,96.06) 63.99,96.16 63.81,96.33 C63.2 62.84,96.33 62.59,96.58 U13.1 61.57,97.43 61.24,97.76 v1(60.58,97.76) v1(58.98,97.76) ; v1(42.47,132.02) 42.48,132.03 U2.3 U2.8 42.48,134 v1(42.45,134.03) ; C85.2 55.99,81.56 55.58,81.15 v1(55.58,80.89) 55.58,79.9 55.22,79.54 54.07,79.54 53.27,78.73 C93.2 ; v1(57.88,66.97) C133.2 ; R236.2 v1(42.27,27.73) ; Q1.2 v1(126.22,138.61) ; v1(31.32,115.83) C24.2 33.39,116.83 32.61,117.6 Q5.3 ; C149.2 v1(27.68,40.88) ; C72.2 v1(58.45,88.05) ; J5.18 v1(107.94,113.65) ; C130.2 v1(124.99,69.12) ; C31.2 v1(56.85,110.23) ; v1(102.99,15.66) J15.C6